# Altium PCB PCB ASCII (pokey v1.0-A01).PcbDoc (part 4 of 5) (continued)
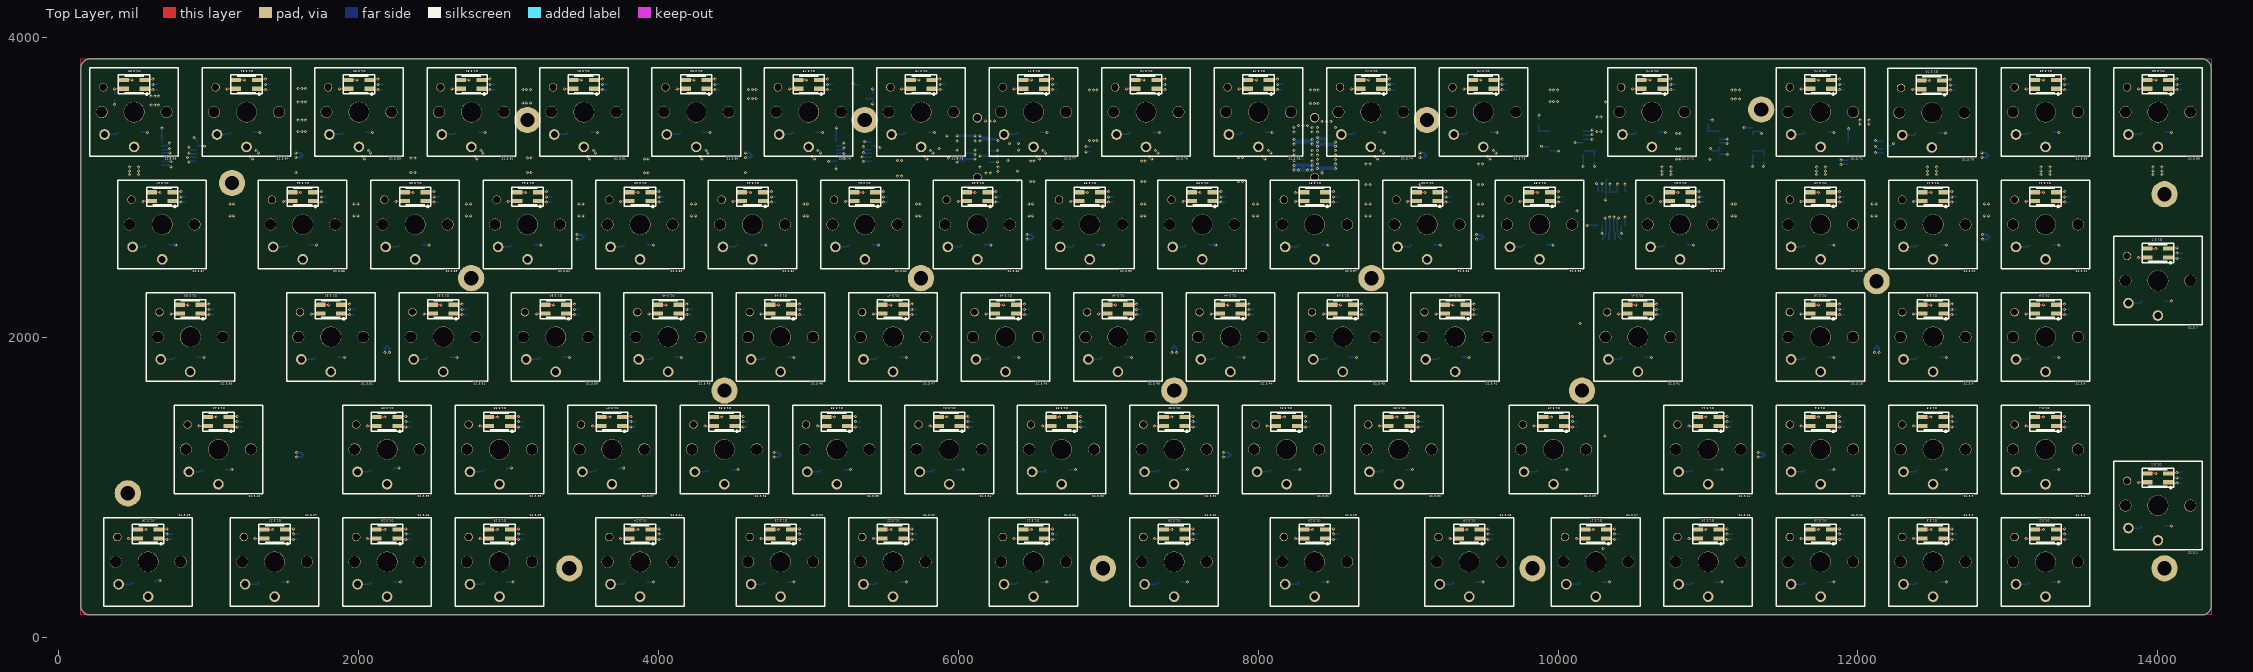
[diagram p0: Top Layer view]
## Nets (pads, with @x,y where several pads share a name; then routed paths per layer and width w, separated by ;. In a path a pad name is that pad's centre, name@x,y a point inside that pad or via, vN(x,y) a via of type N, cw(c..) or ccw(c..) an arc to the next point about the centre after c; other vN are vias at no path point) (continued)
  Mid-Layer 2 w10: v1(8502.07,722.5) 9213.32,722.5 v1(9278.32,657.5)
NetD1.3.19_4: D1.3.19.4 D1.3.20.2 | length 825.2
  Top Layer w10: D1.3.20.2@7509.78,717.93 7514.35,722.5 v1(7564.57,722.5) ; v1(8247.07,657.5) 8304.17,657.5 D1.3.19.4@8305.55,658.88
  Mid-Layer 2 w10: v1(7564.57,722.5) 8182.07,722.5 v1(8247.07,657.5)
NetD1.3.20_4: D1.3.20.4 D1.3.21.2 | length 825.2
  Top Layer w10: D1.3.21.2@6572.28,717.93 6576.85,722.5 v1(6627.07,722.5) ; v1(7309.57,657.5) 7366.67,657.5 D1.3.20.4@7368.05,658.88
  Mid-Layer 2 w10: v1(6627.07,722.5) 7244.57,722.5 v1(7309.57,657.5)
NetD1.3.21_4: D1.3.21.4 D1.3.22.2 | length 825.2
  Top Layer w10: D1.3.22.2@5634.78,717.93 5639.35,722.5 v1(5689.57,722.5) ; v1(6372.07,657.5) 6429.17,657.5 D1.3.21.4@6430.55,658.88
  Mid-Layer 2 w10: v1(5689.57,722.5) 6307.07,722.5 v1(6372.07,657.5)
NetD1.3.22_4: D1.3.22.4 D1.3.23.2 | length 637.7
  Top Layer w10: D1.3.23.2@4884.78,717.93 4889.35,722.5 v1(4939.57,722.5) ; v1(5434.57,657.5) 5491.67,657.5 D1.3.22.4@5493.05,658.88
  Mid-Layer 2 w10: v1(4939.57,722.5) 5369.57,722.5 v1(5434.57,657.5)
NetD1.3.23_4: D1.3.23.4 D1.3.24.2 | length 825.2
  Top Layer w10: D1.3.24.2@3947.28,717.93 3951.85,722.5 v1(4002.07,722.5) ; v1(4684.57,657.5) 4741.67,657.5 D1.3.23.4@4743.05,658.88
  Mid-Layer 2 w10: v1(4002.07,722.5) 4619.57,722.5 v1(4684.57,657.5)
NetD1.3.24_4: D1.3.24.4 D1.3.25.2 | length 825.2
  Top Layer w10: D1.3.25.2@3009.78,717.93 3014.35,722.5 v1(3064.57,722.5) ; v1(3747.07,657.5) 3804.17,657.5 D1.3.24.4@3805.55,658.88
  Mid-Layer 2 w10: v1(3064.57,722.5) 3682.07,722.5 v1(3747.07,657.5)
NetD1.3.25_4: D1.3.25.4 D1.3.26.2 | length 637.7
  Top Layer w10: D1.3.26.2@2259.78,717.93 2264.35,722.5 v1(2314.57,722.5) ; v1(2809.57,657.5) 2866.67,657.5 D1.3.25.4@2868.05,658.88
  Mid-Layer 2 w10: v1(2314.57,722.5) 2744.57,722.5 v1(2809.57,657.5)
NetD1.3.26_4: D1.3.26.4 D1.3.27.2 | length 637.7
  Top Layer w10: D1.3.27.2@1509.78,717.93 1514.35,722.5 v1(1564.57,722.5) ; v1(2059.57,657.5) 2116.67,657.5 D1.3.26.4@2118.05,658.88
  Mid-Layer 2 w10: v1(1564.57,722.5) 1994.57,722.5 v1(2059.57,657.5)
NetD1.3.27_4: D1.3.27.4 D1.3.28.2 | length 731.4
  Top Layer w10: D1.3.28.2@666.03,717.93 670.6,722.5 v1(720.82,722.5) ; v1(1309.57,657.5) 1366.67,657.5 D1.3.27.4@1368.05,658.88
  Mid-Layer 2 w10: v1(720.82,722.5) 1244.57,722.5 v1(1309.57,657.5)
NetD1.3.28_4: D1.3.28.4 D1.3.40.2 | length 1641.8
  Top Layer w10: v1(465.82,657.5) 522.92,657.5 D1.3.28.4@524.3,658.88 ; D1.3.40.2@1134.78,1467.93 1139.35,1472.5 v1(1189.57,1472.5)
  Mid-Layer 2 w10: v1(465.82,657.5) 380,743.32 380,1205 667.5,1492.5 1180,1492.5 1187.65,1484.85 1187.65,1474.41 v1(1189.57,1472.5)
NetD1.3.29_2: D1.3.29.2 D1.3.30.4 | length 1500.7
  Top Layer w10: v1(8809.57,1407.5) 8866.67,1407.5 D1.3.30.4@8868.05,1408.88 ; D1.3.29.2@10041.03,1467.93 10045.6,1472.5 v1(10095.82,1472.5)
  Mid-Layer 2 w10: v1(8809.57,1407.5) 8809.96,1407.11 8809.96,1392.54 8844,1358.5 9532.25,1358.5 9666.25,1492.5 10086.25,1492.5 10093.9,1484.85 10093.9,1474.41 v1(10095.82,1472.5)
NetD1.3.30_2: D1.3.30.2 D1.3.31.4 | length 1219.5
  Top Layer w10: v1(8059.57,1407.5) 8116.67,1407.5 D1.3.31.4@8118.05,1408.88 ; D1.3.30.2@9009.78,1467.93 9014.35,1472.5 v1(9064.57,1472.5)
  Mid-Layer 2 w10: v1(8059.57,1407.5) 8059.96,1407.11 8059.96,1392.54 8094,1358.5 8500,1358.5 8634,1492.5 9055,1492.5 9062.65,1484.85 9062.65,1474.41 v1(9064.57,1472.5)
NetD1.3.31_2: D1.3.31.2 D1.3.32.4 | length 1219.5
  Top Layer w10: v1(7309.57,1407.5) 7366.67,1407.5 D1.3.32.4@7368.05,1408.88 ; D1.3.31.2@8259.78,1467.93 8264.35,1472.5 v1(8314.57,1472.5)
  Mid-Layer 2 w10: v1(7309.57,1407.5) 7309.96,1407.11 7309.96,1392.54 7344,1358.5 7745,1358.5 7879,1492.5 8305,1492.5 8312.65,1484.85 8312.65,1474.41 v1(8314.57,1472.5)
NetD1.3.32_2: D1.3.32.2 D1.3.33.4 | length 1219.5
  Top Layer w10: v1(6559.57,1407.5) 6616.67,1407.5 D1.3.33.4@6618.05,1408.88 ; D1.3.32.2@7509.78,1467.93 7514.35,1472.5 v1(7564.57,1472.5)
  Mid-Layer 2 w10: v1(6559.57,1407.5) 6559.96,1407.11 6559.96,1392.54 6594,1358.5 7001,1358.5 7135,1492.5 7555,1492.5 7562.65,1484.85 7562.65,1474.41 v1(7564.57,1472.5)
NetD1.3.33_2: D1.3.33.2 D1.3.34.4 | length 1219.5
  Top Layer w10: v1(5809.57,1407.5) 5866.67,1407.5 D1.3.34.4@5868.05,1408.88 ; D1.3.33.2@6759.78,1467.93 6764.35,1472.5 v1(6814.57,1472.5)
  Mid-Layer 2 w10: v1(5809.57,1407.5) 5809.96,1407.11 5809.96,1392.54 5844,1358.5 6251,1358.5 6385,1492.5 6805,1492.5 6812.65,1484.85 6812.65,1474.41 v1(6814.57,1472.5)
NetD1.3.34_2: D1.3.34.2 D1.3.35.4 | length 1219.5
  Top Layer w10: v1(5059.57,1407.5) 5116.67,1407.5 D1.3.35.4@5118.05,1408.88 ; D1.3.34.2@6009.78,1467.93 6014.35,1472.5 v1(6064.57,1472.5)
  Mid-Layer 2 w10: v1(5059.57,1407.5) 5059.96,1407.11 5059.96,1392.54 5094,1358.5 5501,1358.5 5635,1492.5 6055,1492.5 6062.65,1484.85 6062.65,1474.41 v1(6064.57,1472.5)
NetD1.3.35_2: D1.3.35.2 D1.3.36.4 | length 1219.5
  Top Layer w10: v1(4309.57,1407.5) 4366.67,1407.5 D1.3.36.4@4368.05,1408.88 ; D1.3.35.2@5259.78,1467.93 5264.35,1472.5 v1(5314.57,1472.5)
  Mid-Layer 2 w10: v1(4309.57,1407.5) 4309.96,1407.11 4309.96,1392.54 4344,1358.5 4751,1358.5 4885,1492.5 5305,1492.5 5312.65,1484.85 5312.65,1474.41 v1(5314.57,1472.5)
NetD1.3.36_2: D1.3.36.2 D1.3.37.4 | length 1219.5
  Top Layer w10: v1(3559.57,1407.5) 3616.67,1407.5 D1.3.37.4@3618.05,1408.88 ; D1.3.36.2@4509.78,1467.93 4514.35,1472.5 v1(4564.57,1472.5)
  Mid-Layer 2 w10: v1(3559.57,1407.5) 3559.96,1407.11 3559.96,1392.54 3594,1358.5 4001,1358.5 4135,1492.5 4555,1492.5 4562.65,1484.85 4562.65,1474.41 v1(4564.57,1472.5)
NetD1.3.37_2: D1.3.37.2 D1.3.38.4 | length 1219.5
  Top Layer w10: v1(2809.57,1407.5) 2866.67,1407.5 D1.3.38.4@2868.05,1408.88 ; D1.3.37.2@3759.78,1467.93 3764.35,1472.5 v1(3814.57,1472.5)
  Mid-Layer 2 w10: v1(2809.57,1407.5) 2809.96,1407.11 2809.96,1392.54 2844,1358.5 3251,1358.5 3385,1492.5 3805,1492.5 3812.65,1484.85 3812.65,1474.41 v1(3814.57,1472.5)
NetD1.3.38_2: D1.3.38.2 D1.3.39.4 | length 1219.5
  Top Layer w10: v1(2059.57,1407.5) 2116.67,1407.5 D1.3.39.4@2118.05,1408.88 ; D1.3.38.2@3009.78,1467.93 3014.35,1472.5 v1(3064.57,1472.5)
  Mid-Layer 2 w10: v1(2059.57,1407.5) 2059.96,1407.11 2059.96,1392.54 2094,1358.5 2522.5,1358.5 2656.5,1492.5 3055,1492.5 3062.65,1484.85 3062.65,1474.41 v1(3064.57,1472.5)
NetD1.3.39_2: D1.3.39.2 D1.3.40.4 | length 1594.5
  Top Layer w10: v1(934.57,1407.5) 991.67,1407.5 D1.3.40.4@993.05,1408.88 ; D1.3.39.2@2259.78,1467.93 2264.35,1472.5 v1(2314.57,1472.5)
  Mid-Layer 2 w10: v1(934.57,1407.5) 934.96,1407.11 934.96,1392.54 969,1358.5 1751,1358.5 1885,1492.5 2305,1492.5 2312.65,1484.85 2312.65,1474.41 v1(2314.57,1472.5)
NetD1.3.41_4: D1.3.41.4 D1.3.42.2 | length 1106.4
  Top Layer w10: D1.3.42.2@9384.78,2217.93 9389.35,2222.5 v1(9439.57,2222.5) ; v1(10403.32,2157.5) 10460.42,2157.5 D1.3.41.4@10461.8,2158.88
  Mid-Layer 2 w10: v1(9439.57,2222.5) 10248.32,2222.5 10338.32,2222.5 v1(10403.32,2157.5)
NetD1.3.42_4: D1.3.42.4 D1.3.43.2 | length 637.7
  Top Layer w10: D1.3.43.2@8634.78,2217.93 8639.35,2222.5 v1(8689.57,2222.5) ; v1(9184.57,2157.5) 9241.67,2157.5 D1.3.42.4@9243.05,2158.88
  Mid-Layer 2 w10: v1(8689.57,2222.5) 9119.57,2222.5 v1(9184.57,2157.5)
NetD1.3.43_4: D1.3.43.4 D1.3.44.2 | length 637.7
  Top Layer w10: D1.3.44.2@7884.78,2217.93 7889.35,2222.5 v1(7939.57,2222.5) ; v1(8434.57,2157.5) 8491.67,2157.5 D1.3.43.4@8493.05,2158.88
  Mid-Layer 2 w10: v1(7939.57,2222.5) 8369.57,2222.5 v1(8434.57,2157.5)
NetD1.3.44_4: D1.3.44.4 D1.3.45.2 | length 637.7
  Top Layer w10: D1.3.45.2@7134.78,2217.93 7139.35,2222.5 v1(7189.57,2222.5) ; v1(7684.57,2157.5) 7741.67,2157.5 D1.3.44.4@7743.05,2158.88
  Mid-Layer 2 w10: v1(7189.57,2222.5) 7619.57,2222.5 v1(7684.57,2157.5)
NetD1.3.45_4: D1.3.45.4 D1.3.46.2 | length 637.7
  Top Layer w10: D1.3.46.2@6384.78,2217.93 6389.35,2222.5 v1(6439.57,2222.5) ; v1(6934.57,2157.5) 6991.67,2157.5 D1.3.45.4@6993.05,2158.88
  Mid-Layer 2 w10: v1(6439.57,2222.5) 6869.57,2222.5 v1(6934.57,2157.5)
NetD1.3.46_4: D1.3.46.4 D1.3.47.2 | length 637.7
  Top Layer w10: D1.3.47.2@5634.78,2217.93 5639.35,2222.5 v1(5689.57,2222.5) ; v1(6184.57,2157.5) 6241.67,2157.5 D1.3.46.4@6243.05,2158.88
  Mid-Layer 2 w10: v1(5689.57,2222.5) 6119.57,2222.5 v1(6184.57,2157.5)
NetD1.3.47_4: D1.3.47.4 D1.3.48.2 | length 637.7
  Top Layer w10: D1.3.48.2@4884.78,2217.93 4889.35,2222.5 v1(4939.57,2222.5) ; v1(5434.57,2157.5) 5491.67,2157.5 D1.3.47.4@5493.05,2158.88
  Mid-Layer 2 w10: v1(4939.57,2222.5) 5369.57,2222.5 v1(5434.57,2157.5)
NetD1.3.48_4: D1.3.48.4 D1.3.49.2 | length 637.7
  Top Layer w10: D1.3.49.2@4134.78,2217.93 4139.35,2222.5 v1(4189.57,2222.5) ; v1(4684.57,2157.5) 4741.67,2157.5 D1.3.48.4@4743.05,2158.88
  Mid-Layer 2 w10: v1(4189.57,2222.5) 4619.57,2222.5 v1(4684.57,2157.5)
NetD1.3.49_4: D1.3.49.4 D1.3.50.2 | length 637.7
  Top Layer w10: D1.3.50.2@3384.78,2217.93 3389.35,2222.5 v1(3439.57,2222.5) ; v1(3934.57,2157.5) 3991.67,2157.5 D1.3.49.4@3993.05,2158.88
  Mid-Layer 2 w10: v1(3439.57,2222.5) 3869.57,2222.5 v1(3934.57,2157.5)
NetD1.3.50_4: D1.3.50.4 D1.3.51.2 | length 637.7
  Top Layer w10: D1.3.51.2@2634.78,2217.93 2639.35,2222.5 v1(2689.57,2222.5) ; v1(3184.57,2157.5) 3241.67,2157.5 D1.3.50.4@3243.05,2158.88
  Mid-Layer 2 w10: v1(2689.57,2222.5) 3119.57,2222.5 v1(3184.57,2157.5)
NetD1.3.51_4: D1.3.51.4 D1.3.52.2 | length 637.7
  Top Layer w10: D1.3.52.2@1884.78,2217.93 1889.35,2222.5 v1(1939.57,2222.5) ; v1(2434.57,2157.5) 2491.67,2157.5 D1.3.51.4@2493.05,2158.88
  Mid-Layer 2 w10: v1(1939.57,2222.5) 2369.57,2222.5 v1(2434.57,2157.5)
NetD1.3.52_4: D1.3.52.4 D1.3.53.2 | length 825.2
  Top Layer w10: D1.3.53.2@947.28,2217.93 951.85,2222.5 v1(1002.07,2222.5) ; v1(1684.57,2157.5) 1741.67,2157.5 D1.3.52.4@1743.05,2158.88
  Mid-Layer 2 w10: v1(1002.07,2222.5) 1529.57,2222.5 1619.57,2222.5 v1(1684.57,2157.5)
NetD1.3.53_4: D1.3.53.4 D1.3.67.2 | length 1613.4
  Top Layer w10: v1(747.07,2157.5) 804.17,2157.5 D1.3.53.4@805.55,2158.88 ; D1.3.67.2@759.78,2967.93 764.35,2972.5 v1(814.57,2972.5)
  Mid-Layer 2 w10: v1(747.07,2157.5) 682.07,2222.5 547.5,2222.5 340,2430 340,2866.58 465.92,2992.5 805,2992.5 812.65,2984.85 812.65,2974.41 v1(814.57,2972.5)
NetD1.3.54_2: D1.3.54.2 D1.3.55.4 | length 1590.6
  Top Layer w10: v1(9747.07,2907.5) 9804.17,2907.5 D1.3.55.4@9805.55,2908.88 ; D1.3.54.2@10884.78,2967.93 10889.35,2972.5 v1(10939.57,2972.5)
  Mid-Layer 2 w10: v1(9747.07,2907.5) 9747.46,2907.11 9747.46,2892.54 9770,2870 10185,2870 10305,2750 10470,2750 10505,2785 10505,2945 10552.5,2992.5 10930,2992.5 10937.65,2984.85 10937.65,2974.41 v1(10939.57,2972.5)
NetD1.3.55_2: D1.3.55.2 D1.3.56.4 | length 1216.1
  Top Layer w10: v1(8997.07,2907.5) 9054.17,2907.5 D1.3.56.4@9055.55,2908.88 ; D1.3.55.2@9947.28,2967.93 9951.85,2972.5 v1(10002.07,2972.5)
  Mid-Layer 2 w10: v1(8997.07,2907.5) 8997.46,2907.11 8997.46,2892.54 9027.5,2862.5 9522.5,2862.5 9652.5,2992.5 9992.5,2992.5 10000.15,2984.85 10000.15,2974.41 v1(10002.07,2972.5)
NetD1.3.56_2: D1.3.56.2 D1.3.57.4 | length 1214.1
  Top Layer w10: v1(8247.07,2907.5) 8304.17,2907.5 D1.3.57.4@8305.55,2908.88 ; D1.3.56.2@9197.28,2967.93 9201.85,2972.5 v1(9252.07,2972.5)
  Mid-Layer 2 w10: v1(8247.07,2907.5) 8247.46,2907.11 8247.46,2892.54 8275,2865 8775,2865 8902.5,2992.5 9242.5,2992.5 9250.15,2984.85 9250.15,2974.41 v1(9252.07,2972.5)
NetD1.3.57_2: D1.3.57.2 D1.3.58.4 | length 1374.7
  Top Layer w10: v1(7497.07,2907.5) 7554.17,2907.5 D1.3.58.4@7555.55,2908.88 ; D1.3.57.2@8447.28,2967.93 8451.85,2972.5 v1(8502.07,2972.5)
  Mid-Layer 2 w10: v1(7497.07,2907.5) 7497.46,2907.11 7497.46,2892.54 7530,2860 8020,2860 8125,2965 8200,2965 8225,2940 8265,2940 8324,2881 8526,2881 8535,2890 8535,2960 8522.5,2972.5 v1(8502.07,2972.5) v1@8500.15,2974.41
NetD1.3.58_2: D1.3.58.2 D1.3.59.4 | length 1218.2
  Top Layer w10: v1(6747.07,2907.5) 6804.17,2907.5 D1.3.59.4@6805.55,2908.88 ; D1.3.58.2@7697.28,2967.93 7701.85,2972.5 v1(7752.07,2972.5)
  Mid-Layer 2 w10: v1(6747.07,2907.5) 6747.46,2907.11 6747.46,2892.54 6780,2860 7270,2860 7402.5,2992.5 7742.5,2992.5 7750.15,2984.85 7750.15,2974.41 v1(7752.07,2972.5)
NetD1.3.59_2: D1.3.59.2 D1.3.60.4 | length 1225.9
  Top Layer w10: v1(5997.07,2907.5) 6054.17,2907.5 D1.3.60.4@6055.55,2908.88 ; D1.3.59.2@6947.28,2967.93 6951.85,2972.5 v1(7002.07,2972.5)
  Mid-Layer 2 w10: v1(5997.07,2907.5) 5997.46,2907.11 5997.46,2892.54 6030,2860 6525,2860 6660,2995 6995,2995 7002.07,2987.93 v1(7002.07,2972.5) v1@7000.15,2974.41
NetD1.3.60_2: D1.3.60.2 D1.3.61.4 | length 1256.3
  Top Layer w10: v1(5247.07,2907.5) 5304.17,2907.5 D1.3.61.4@5305.55,2908.88 ; D1.3.60.2@6197.28,2967.93 6201.85,2972.5 v1(6252.07,2972.5)
  Mid-Layer 2 w10: v1(5247.07,2907.5) 5247.46,2907.11 5247.46,2892.54 5280,2860 5770,2860 5902.5,2992.5 5997.5,2992.5 6043.5,2946.5 6156.5,2946.5 6202.5,2992.5 6242.5,2992.5 6250.15,2984.85 6250.15,2974.41 v1(6252.07,2972.5)
NetD1.3.61_2: D1.3.61.2 D1.3.62.4 | length 1219.5
  Top Layer w10: v1(4497.07,2907.5) 4554.17,2907.5 D1.3.62.4@4555.55,2908.88 ; D1.3.61.2@5447.28,2967.93 5451.85,2972.5 v1(5502.07,2972.5)
  Mid-Layer 2 w10: v1(4497.07,2907.5) 4497.46,2907.11 4497.46,2892.54 4531.5,2858.5 5018.5,2858.5 5152.5,2992.5 5492.5,2992.5 5500.15,2984.85 5500.15,2974.41 v1(5502.07,2972.5)
NetD1.3.62_2: D1.3.62.2 D1.3.63.4 | length 1219.5
  Top Layer w10: v1(3747.07,2907.5) 3804.17,2907.5 D1.3.63.4@3805.55,2908.88 ; D1.3.62.2@4697.28,2967.93 4701.85,2972.5 v1(4752.07,2972.5)
  Mid-Layer 2 w10: v1(3747.07,2907.5) 3747.46,2907.11 3747.46,2892.54 3781.5,2858.5 4269.5,2858.5 4403.5,2992.5 4742.5,2992.5 4750.15,2984.85 4750.15,2974.41 v1(4752.07,2972.5)
NetD1.3.63_2: D1.3.63.2 D1.3.64.4 | length 1219.5
  Top Layer w10: v1(2997.07,2907.5) 3054.17,2907.5 D1.3.64.4@3055.55,2908.88 ; D1.3.63.2@3947.28,2967.93 3951.85,2972.5 v1(4002.07,2972.5)
  Mid-Layer 2 w10: v1(2997.07,2907.5) 2997.46,2907.11 2997.46,2892.54 3031.5,2858.5 3519.5,2858.5 3653.5,2992.5 3992.5,2992.5 4000.15,2984.85 4000.15,2974.41 v1(4002.07,2972.5)
NetD1.3.64_2: D1.3.64.2 D1.3.65.4 | length 1219.5
  Top Layer w10: v1(2247.07,2907.5) 2304.17,2907.5 D1.3.65.4@2305.55,2908.88 ; D1.3.64.2@3197.28,2967.93 3201.85,2972.5 v1(3252.07,2972.5)
  Mid-Layer 2 w10: v1(2247.07,2907.5) 2247.46,2907.11 2247.46,2892.54 2281.5,2858.5 2769.5,2858.5 2903.5,2992.5 3242.5,2992.5 3250.15,2984.85 3250.15,2974.41 v1(3252.07,2972.5)
NetD1.3.65_2: D1.3.65.2 D1.3.66.4 | length 1219.5
  Top Layer w10: v1(1497.07,2907.5) 1554.17,2907.5 D1.3.66.4@1555.55,2908.88 ; D1.3.65.2@2447.28,2967.93 2451.85,2972.5 v1(2502.07,2972.5)
  Mid-Layer 2 w10: v1(1497.07,2907.5) 1497.46,2907.11 1497.46,2892.54 1531.5,2858.5 2019.5,2858.5 2153.5,2992.5 2492.5,2992.5 2500.15,2984.85 2500.15,2974.41 v1(2502.07,2972.5)
NetD1.3.66_2: D1.3.66.2 D1.3.67.4 | length 1407
  Top Layer w10: v1(559.57,2907.5) 616.67,2907.5 D1.3.67.4@618.05,2908.88 ; D1.3.66.2@1697.28,2967.93 1701.85,2972.5 v1(1752.07,2972.5)
  Mid-Layer 2 w10: v1(559.57,2907.5) 559.96,2907.11 559.96,2892.54 594,2858.5 1269.5,2858.5 1403.5,2992.5 1742.5,2992.5 1750.15,2984.85 1750.15,2974.41 v1(1752.07,2972.5)
NetD1.3.68_4: D1.3.68.4 D1.3.69.2 | length 637.7
  Top Layer w10: D1.3.69.2@13322.28,3717.93 13326.85,3722.5 v1(13377.07,3722.5) ; v1(13872.07,3657.5) 13929.17,3657.5 D1.3.68.4@13930.55,3658.88
  Mid-Layer 2 w10: v1(13377.07,3722.5) 13807.07,3722.5 v1(13872.07,3657.5)
NetD1.3.69_4: D1.3.69.4 D1.3.70.2 | length 644.3
  Top Layer w10: D1.3.70.2@12564.07,3714.12 12568.64,3718.68 v1(12618.86,3718.68) ; v1(13122.07,3657.5) 13179.17,3657.5 D1.3.69.4@13180.55,3658.88
  Mid-Layer 2 w10: v1(12618.86,3718.68) 13060.88,3718.68 v1(13122.07,3657.5)
NetD1.3.70_4: D1.3.70.4 D1.3.71.2 | length 631
  Top Layer w10: D1.3.71.2@11822.28,3717.93 11826.85,3722.5 v1(11877.07,3722.5) ; v1(12363.86,3653.68) 12420.96,3653.68 D1.3.70.4@12422.34,3655.06
  Mid-Layer 2 w10: v1(11877.07,3722.5) 12295.04,3722.5 v1(12363.86,3653.68)
NetD1.3.71_4: D1.3.71.4 D1.3.72.2 | length 1012.7
  Top Layer w10: D1.3.72.2@10697.28,3717.93 10701.85,3722.5 v1(10752.07,3722.5) ; v1(11622.07,3657.5) 11679.17,3657.5 D1.3.71.4@11680.55,3658.88
  Mid-Layer 2 w10: v1(10752.07,3722.5) 11557.07,3722.5 v1(11622.07,3657.5)
NetD1.3.72_4: D1.3.72.4 D1.3.73.2 | length 1012.7
  Top Layer w10: D1.3.73.2@9572.28,3717.93 9576.85,3722.5 v1(9627.07,3722.5) ; v1(10497.07,3657.5) 10554.17,3657.5 D1.3.72.4@10555.55,3658.88
  Mid-Layer 2 w10: v1(9627.07,3722.5) 10432.07,3722.5 v1(10497.07,3657.5)
NetD1.3.73_4: D1.3.73.4 D1.3.74.2 | length 637.7
  Top Layer w10: D1.3.74.2@8822.28,3717.93 8826.85,3722.5 v1(8877.07,3722.5) ; v1(9372.07,3657.5) 9429.17,3657.5 D1.3.73.4@9430.55,3658.88
  Mid-Layer 2 w10: v1(8877.07,3722.5) 9307.07,3722.5 v1(9372.07,3657.5)
NetD1.3.74_4: D1.3.74.4 D1.3.75.2 | length 637.7
  Top Layer w10: D1.3.75.2@8072.28,3717.93 8076.85,3722.5 v1(8127.07,3722.5) ; v1(8622.07,3657.5) 8679.17,3657.5 D1.3.74.4@8680.55,3658.88
  Mid-Layer 2 w10: v1(8127.07,3722.5) 8557.07,3722.5 v1(8622.07,3657.5)
NetD1.3.75_4: D1.3.75.4 D1.3.76.2 | length 637.7
  Top Layer w10: D1.3.76.2@7322.28,3717.93 7326.85,3722.5 v1(7377.07,3722.5) ; v1(7872.07,3657.5) 7929.17,3657.5 D1.3.75.4@7930.55,3658.88
  Mid-Layer 2 w10: v1(7377.07,3722.5) 7807.07,3722.5 v1(7872.07,3657.5)
NetD1.3.76_4: D1.3.76.4 D1.3.77.2 | length 637.7
  Top Layer w10: D1.3.77.2@6572.28,3717.93 6576.85,3722.5 v1(6627.07,3722.5) ; v1(7122.07,3657.5) 7179.17,3657.5 D1.3.76.4@7180.55,3658.88
  Mid-Layer 2 w10: v1(6627.07,3722.5) 7057.07,3722.5 v1(7122.07,3657.5)
NetD1.3.77_4: D1.3.77.4 D1.3.78.2 | length 637.7
  Top Layer w10: D1.3.78.2@5822.28,3717.93 5826.85,3722.5 v1(5877.07,3722.5) ; v1(6372.07,3657.5) 6429.17,3657.5 D1.3.77.4@6430.55,3658.88
  Mid-Layer 2 w10: v1(5877.07,3722.5) 6307.07,3722.5 v1(6372.07,3657.5)
NetD1.3.78_4: D1.3.78.4 D1.3.79.2 | length 637.7
  Top Layer w10: D1.3.79.2@5072.28,3717.93 5076.85,3722.5 v1(5127.07,3722.5) ; v1(5622.07,3657.5) 5679.17,3657.5 D1.3.78.4@5680.55,3658.88
  Mid-Layer 2 w10: v1(5127.07,3722.5) 5557.07,3722.5 v1(5622.07,3657.5)
NetD1.3.79_4: D1.3.79.4 D1.3.80.2 | length 637.7
  Top Layer w10: D1.3.80.2@4322.28,3717.93 4326.85,3722.5 v1(4377.07,3722.5) ; v1(4872.07,3657.5) 4929.17,3657.5 D1.3.79.4@4930.55,3658.88
  Mid-Layer 2 w10: v1(4377.07,3722.5) 4807.07,3722.5 v1(4872.07,3657.5)
NetD1.3.80_4: D1.3.80.4 D1.3.81.2 | length 637.7
  Top Layer w10: D1.3.81.2@3572.28,3717.93 3576.85,3722.5 v1(3627.07,3722.5) ; v1(4122.07,3657.5) 4179.17,3657.5 D1.3.80.4@4180.55,3658.88
  Mid-Layer 2 w10: v1(3627.07,3722.5) 4057.07,3722.5 v1(4122.07,3657.5)
NetD1.3.81_4: D1.3.81.4 D1.3.82.2 | length 637.7
  Top Layer w10: D1.3.82.2@2822.28,3717.93 2826.85,3722.5 v1(2877.07,3722.5) ; v1(3372.07,3657.5) 3429.17,3657.5 D1.3.81.4@3430.55,3658.88
  Mid-Layer 2 w10: v1(2877.07,3722.5) 3307.07,3722.5 v1(3372.07,3657.5)
NetD1.3.82_4: D1.3.82.4 D1.3.83.2 | length 637.7
  Top Layer w10: D1.3.83.2@2072.28,3717.93 2076.85,3722.5 v1(2127.07,3722.5) ; v1(2622.07,3657.5) 2679.17,3657.5 D1.3.82.4@2680.55,3658.88
  Mid-Layer 2 w10: v1(2127.07,3722.5) 2557.07,3722.5 v1(2622.07,3657.5)
NetD1.3.83_4: D1.3.83.4 D1.3.84.2 | length 637.7
  Top Layer w10: D1.3.84.2@1322.28,3717.93 1326.85,3722.5 v1(1377.07,3722.5) ; v1(1872.07,3657.5) 1929.17,3657.5 D1.3.83.4@1930.55,3658.88
  Mid-Layer 2 w10: v1(1377.07,3722.5) 1807.07,3722.5 v1(1872.07,3657.5)
NetD1.3.84_4: D1.3.84.4 D1.3.85.2 | length 637.7
  Top Layer w10: D1.3.85.2@572.28,3717.93 576.85,3722.5 v1(627.07,3722.5) ; v1(1122.07,3657.5) 1179.17,3657.5 D1.3.84.4@1180.55,3658.88
  Mid-Layer 2 w10: v1(627.07,3722.5) 1057.07,3722.5 v1(1122.07,3657.5)
NetD1.3.85_4: D1.3.85.4 Q1.2.1 R3.2.1 | length 5236.5
  Top Layer w10: v1(372.07,3657.5) 429.17,3657.5 D1.3.85.4@430.55,3658.88
  Mid-Layer 2 w10: v1(372.07,3657.5) 370.15,3655.59 370.15,3648.52 370,3648.36 370,3635 385,3620 475,3620 600,3745 4850,3745 4975,3620 5185,3620 5257.5,3692.5 v1(5297.5,3692.5)
  Bottom Layer w10: v1(372.07,3657.5) 372.5,3657.07 R3.2.1@372.5,3619.47 ; v1(5297.5,3692.5) 5299.62,3692.5 5308.36,3683.76 Q1.2.1@5342.5,3683.76
NetD2.3.1_A: D2.3.1.A S1.3.1.2 | length 99.5
  Bottom Layer w10: S1.3.1.2@13804.56,728.39 13884.13,728.39 D2.3.1.A@13898.25,742.5
NetD2.3.2_A: D2.3.2.A S1.3.2.2 | length 99.5
  Bottom Layer w10: S1.3.2.2@13054.56,353.39 13134.13,353.39 D2.3.2.A@13148.25,367.5
NetD2.3.3_A: D2.3.3.A S1.3.3.2 | length 99.5
  Bottom Layer w10: S1.3.3.2@12304.56,353.39 12384.13,353.39 D2.3.3.A@12398.25,367.5
NetD2.3.4_A: D2.3.4.A S1.3.4.2 | length 99.5
  Bottom Layer w10: S1.3.4.2@13054.56,1103.39 13134.13,1103.39 D2.3.4.A@13148.25,1117.5
NetD2.3.5_A: D2.3.5.A S1.3.5.2 | length 99.5
  Bottom Layer w10: S1.3.5.2@12304.56,1103.39 12384.13,1103.39 D2.3.5.A@12398.25,1117.5
NetD2.3.6_A: D2.3.6.A S1.3.6.2 | length 99.5
  Bottom Layer w10: S1.3.6.2@11554.56,1103.39 11634.13,1103.39 D2.3.6.A@11648.25,1117.5
NetD2.3.7_A: D2.3.7.A S1.3.7.2 | length 99.5
  Bottom Layer w10: S1.3.7.2@13804.56,2228.39 13884.13,2228.39 D2.3.7.A@13898.25,2242.5
NetD2.3.8_A: D2.3.8.A S1.3.8.2 | length 99.5
  Bottom Layer w10: S1.3.8.2@13054.56,1853.39 13134.13,1853.39 D2.3.8.A@13148.25,1867.5
NetD2.3.9_A: D2.3.9.A S1.3.9.2 | length 99.5
  Bottom Layer w10: S1.3.9.2@12304.56,1853.39 12384.13,1853.39 D2.3.9.A@12398.25,1867.5
NetD2.3.10_A: D2.3.10.A S1.3.10.2 | length 99.5
  Bottom Layer w10: S1.3.10.2@11554.56,1853.39 11634.13,1853.39 D2.3.10.A@11648.25,1867.5
NetD2.3.11_A: D2.3.11.A S1.3.11.2 | length 99.5
  Bottom Layer w10: S1.3.11.2@13054.56,2603.39 13134.13,2603.39 D2.3.11.A@13148.25,2617.5
NetD2.3.12_A: D2.3.12.A S1.3.12.2 | length 99.5
  Bottom Layer w10: S1.3.12.2@12304.56,2603.39 12384.13,2603.39 D2.3.12.A@12398.25,2617.5
NetD2.3.13_A: D2.3.13.A S1.3.13.2 | length 99.5
  Bottom Layer w10: S1.3.13.2@11554.56,2603.39 11634.13,2603.39 D2.3.13.A@11648.25,2617.5
NetD2.3.14_A: D2.3.14.A S1.3.14.2 | length 99.5
  Bottom Layer w10: S1.3.14.2@10804.56,1103.39 10884.13,1103.39 D2.3.14.A@10898.25,1117.5
NetD2.3.15_A: D2.3.15.A S1.3.15.2 | length 99.5
  Bottom Layer w10: S1.3.15.2@11554.56,353.39 11634.13,353.39 D2.3.15.A@11648.25,367.5
NetD2.3.16_A: D2.3.16.A S1.3.16.2 | length 99.5
  Bottom Layer w10: S1.3.16.2@10804.56,353.39 10884.13,353.39 D2.3.16.A@10898.25,367.5
NetD2.3.17_A: D2.3.17.A S1.3.17.2 | length 99.5
  Bottom Layer w10: S1.3.17.2@10054.56,353.39 10134.13,353.39 D2.3.17.A@10148.25,367.5
NetD2.3.18_A: D2.3.18.A S1.3.18.2 | length 99.5
  Bottom Layer w10: S1.3.18.2@9210.81,353.39 9290.38,353.39 D2.3.18.A@9304.5,367.5
NetD2.3.19_A: D2.3.19.A S1.3.19.2 | length 99.5
  Bottom Layer w10: S1.3.19.2@8179.56,353.39 8259.13,353.39 D2.3.19.A@8273.25,367.5
NetD2.3.20_A: D2.3.20.A S1.3.20.2 | length 99.5
  Bottom Layer w10: S1.3.20.2@7242.06,353.39 7321.63,353.39 D2.3.20.A@7335.75,367.5
NetD2.3.21_A: D2.3.21.A S1.3.21.2 | length 99.5
  Bottom Layer w10: S1.3.21.2@6304.56,353.39 6384.13,353.39 D2.3.21.A@6398.25,367.5